# Altium PCB main.PcbDoc (part 3 of 3)
Units mm, origin at the board's own origin, x right, y up, seen from the top; angles counter-clockwise.
Board outline 100 x 62 mm, 6 copper layers (Layer 1 SIG, Layer 2 GND, Layer 3 SIG, Layer 4 GND, Layer 5 GND, Layer 6 PWR), stack 1.548 mm thick; 223 components, 150 nets, 791 pads, 621 vias.
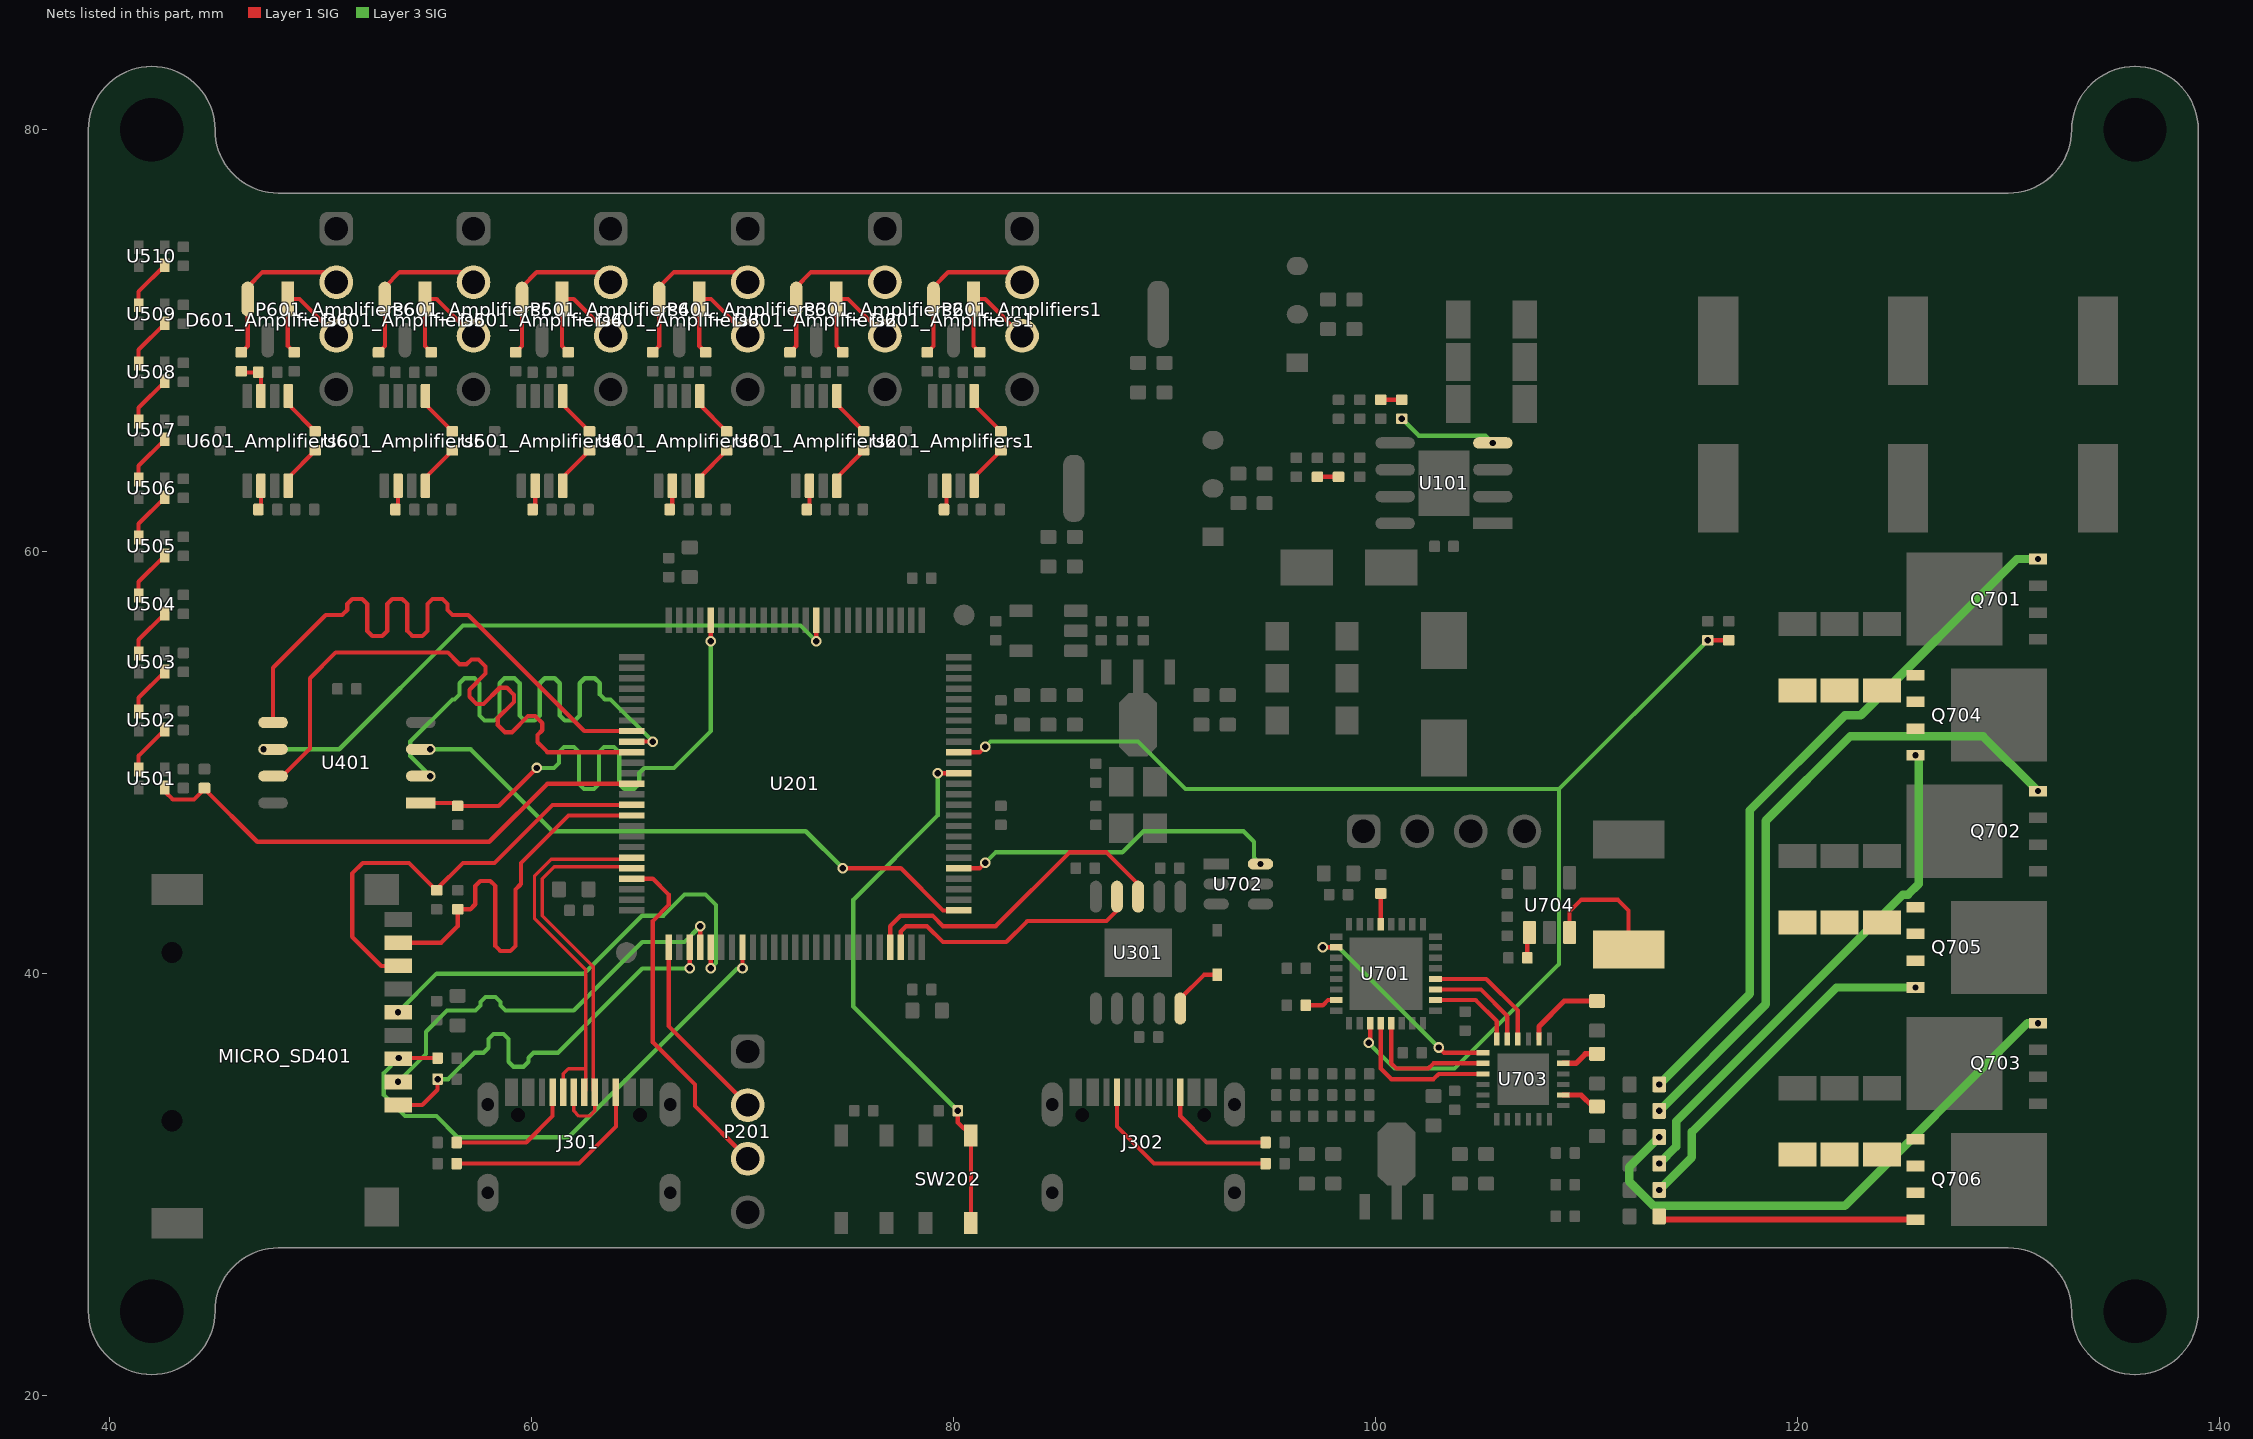
[diagram p7: the nets of this part, all layers, seen from the top]

## Via types
v1: diameter 0.5, hole 0.3, Layer 1 SIG to Layer 6 PWR, tented both sides, 388 vias
v2: diameter 0.8, hole 0.5, Layer 1 SIG to Layer 6 PWR, tented both sides, 233 vias

## Nets (pads, with @x,y where several pads share a name; then routed paths per layer and width w, separated by ;. In a path a pad name is that pad's centre, name@x,y a point inside that pad or via, vN(x,y) a via of type N, cw(c..) or ccw(c..) an arc to the next point about the centre after c; other vN are vias at no path point) (continued)
NetC602_Amplifiers6_2: C602_Amplifiers6.2 R604_Amplifiers6.2 U601_Amplifiers6.3 | length 2
  Layer 1 SIG w0.2: R604_Amplifiers6.2@46.25,68.55 46.3,68.5 C602_Amplifiers6.2@47.05,68.5 47.175,68.375 U601_Amplifiers6.3@47.175,67.375
NetC720_1: C720.1 U703.20 | length 3.8
  Layer 1 SIG w0.25: U703.20@107.75,36.9 107.75,37.5 108.95,38.7 C720.1@110.5,38.7
NetC722_1: C722.1 U703.17 | length 1.8
  Layer 1 SIG w0.25: U703.17@108.9,35.75 109.5,35.75 109.95,36.2 C722.1@110.5,36.2
NetC723_1: C723.1 U703.14 | length 1.8
  Layer 1 SIG w0.25: U703.14@108.9,34.25 109.75,34.25 110.3,33.7 C723.1@110.5,33.7
NetD301_2: D301.2 U301.5 | length 2.7
  Layer 1 SIG w0.2: U301.5@90.75,38.35 90.75,38.828 91.867,39.945 D301.2@92.5,39.945
NetJ301_A5: J301.A5 R302.1 | length 6.2
  Layer 1 SIG w0.2: R302.1@56.45,32 59.75,32 61,33.25 J301.A5@61,34.379
NetJ301_B5: J301.B5 R301.1 | length 9.9
  Layer 1 SIG w0.2: R301.1@56.45,31 62.25,31 64,32.75 J301.B5@64,34.379
NetJ302_A5: J302.A5 R304.1 | length 9.4
  Layer 1 SIG w0.2: J302.A5@87.75,34.379 87.75,32.75 89.5,31 R304.1@94.8,31
NetJ302_B5: J302.B5 R303.1 | length 5.7
  Layer 1 SIG w0.2: J302.B5@90.75,34.379 90.75,33.25 92,32 R303.1@94.8,32
NetQ701_4: Q701.4 R714.2 | length 33.4
  Layer 3 SIG w0.4: v1(113.45,34.75) 117.75,39.05 117.75,47.75 122.25,52.25 123,52.25 130.405,59.655 v1(131.4,59.655)
NetQ702_4: Q702.4 R715.2 | length 31.5
  Layer 3 SIG w0.4: v1(113.45,33.5) 118.5,38.55 118.5,47.25 122.5,51.25 128.805,51.25 v1(131.4,48.655)
NetQ703_4: Q703.4 R716.2 | length 26.1
  Layer 3 SIG w0.4: v1(113.45,32.25) 112.032,30.832 112.032,30.156 113.188,29 122.25,29 130.905,37.655 v1(131.4,37.655)
NetQ704_4: Q704.4 R717.2 | length 24.6
  Layer 3 SIG w0.4: v1(113.45,31) 114.25,31.8 114.25,33 125,43.75 125.25,43.75 125.75,44.25 125.75,50.195 v1(125.6,50.345)
NetQ705_4: Q705.4 R718.2 | length 16.8
  Layer 3 SIG w0.4: v1(113.45,29.75) 115,31.3 115,32.5 121.845,39.345 v1(125.6,39.345)
NetQ706_4: Q706.4 R719.2 | length 12.2
  Layer 1 SIG w0.3: R719.2@113.45,28.5 113.605,28.345 Q706.4@125.6,28.345
NetR102_2: R102.2 R105.1 | length 1
  Layer 1 SIG w0.2: R105.1@97.25,63.55 R102.2@98.25,63.55
NetR103_1: R103.1 R106.2 | length 1
  Layer 1 SIG w0.2: R106.2@100.25,67.2 R103.1@101.25,67.2
NetR103_2: R103.2 U101.4 | length 4.8
  Layer 3 SIG w0.2: v1(101.25,66.3) 102.05,65.5 105.221,65.5 v1(105.566,65.155)
NetR601_Amplifiers1_1: R601_Amplifiers1.1 U601_Amplifiers1.8 | length 2.2
  Layer 1 SIG w0.2: U601_Amplifiers1.8@80.975,63.125 80.975,63.525 R601_Amplifiers1.1@82.25,64.8
NetR601_Amplifiers1_2: R601_Amplifiers1.2 U601_Amplifiers1.1 | length 2.2
  Layer 1 SIG w0.2: U601_Amplifiers1.1@80.975,67.375 80.975,66.975 R601_Amplifiers1.2@82.25,65.7
NetR601_Amplifiers2_1: R601_Amplifiers2.1 U601_Amplifiers2.8 | length 2.2
  Layer 1 SIG w0.2: U601_Amplifiers2.8@74.475,63.125 74.475,63.525 R601_Amplifiers2.1@75.75,64.8
NetR601_Amplifiers2_2: R601_Amplifiers2.2 U601_Amplifiers2.1 | length 2.2
  Layer 1 SIG w0.2: U601_Amplifiers2.1@74.475,67.375 74.475,66.975 R601_Amplifiers2.2@75.75,65.7
NetR601_Amplifiers3_1: R601_Amplifiers3.1 U601_Amplifiers3.8 | length 2.2
  Layer 1 SIG w0.2: U601_Amplifiers3.8@67.975,63.125 67.975,63.525 R601_Amplifiers3.1@69.25,64.8
NetR601_Amplifiers3_2: R601_Amplifiers3.2 U601_Amplifiers3.1 | length 2.2
  Layer 1 SIG w0.2: U601_Amplifiers3.1@67.975,67.375 67.975,66.975 R601_Amplifiers3.2@69.25,65.7
NetR601_Amplifiers4_1: R601_Amplifiers4.1 U601_Amplifiers4.8 | length 2.2
  Layer 1 SIG w0.2: U601_Amplifiers4.8@61.475,63.125 61.475,63.525 R601_Amplifiers4.1@62.75,64.8
NetR601_Amplifiers4_2: R601_Amplifiers4.2 U601_Amplifiers4.1 | length 2.2
  Layer 1 SIG w0.2: U601_Amplifiers4.1@61.475,67.375 61.475,66.975 R601_Amplifiers4.2@62.75,65.7
NetR601_Amplifiers5_1: R601_Amplifiers5.1 U601_Amplifiers5.8 | length 2.2
  Layer 1 SIG w0.2: U601_Amplifiers5.8@54.975,63.125 54.975,63.525 R601_Amplifiers5.1@56.25,64.8
NetR601_Amplifiers5_2: R601_Amplifiers5.2 U601_Amplifiers5.1 | length 2.2
  Layer 1 SIG w0.2: U601_Amplifiers5.1@54.975,67.375 54.975,66.975 R601_Amplifiers5.2@56.25,65.7
NetR601_Amplifiers6_1: R601_Amplifiers6.1 U601_Amplifiers6.8 | length 2.2
  Layer 1 SIG w0.2: U601_Amplifiers6.8@48.475,63.125 48.475,63.525 R601_Amplifiers6.1@49.75,64.8
NetR601_Amplifiers6_2: R601_Amplifiers6.2 U601_Amplifiers6.1 | length 2.2
  Layer 1 SIG w0.2: U601_Amplifiers6.1@48.475,67.375 48.475,66.975 R601_Amplifiers6.2@49.75,65.7
NetR603_Amplifiers1_1: R603_Amplifiers1.1 U601_Amplifiers1.6 | length 1.2
  Layer 1 SIG w0.2: R603_Amplifiers1.1@79.55,62 79.675,62.125 U601_Amplifiers1.6@79.675,63.125
NetR603_Amplifiers2_1: R603_Amplifiers2.1 U601_Amplifiers2.6 | length 1.2
  Layer 1 SIG w0.2: R603_Amplifiers2.1@73.05,62 73.175,62.125 U601_Amplifiers2.6@73.175,63.125
NetR603_Amplifiers3_1: R603_Amplifiers3.1 U601_Amplifiers3.6 | length 1.2
  Layer 1 SIG w0.2: R603_Amplifiers3.1@66.55,62 66.675,62.125 U601_Amplifiers3.6@66.675,63.125
NetR603_Amplifiers4_1: R603_Amplifiers4.1 U601_Amplifiers4.6 | length 1.2
  Layer 1 SIG w0.2: R603_Amplifiers4.1@60.05,62 60.175,62.125 U601_Amplifiers4.6@60.175,63.125
NetR603_Amplifiers5_1: R603_Amplifiers5.1 U601_Amplifiers5.6 | length 1.2
  Layer 1 SIG w0.2: R603_Amplifiers5.1@53.55,62 53.675,62.125 U601_Amplifiers5.6@53.675,63.125
NetR603_Amplifiers6_1: R603_Amplifiers6.1 U601_Amplifiers6.6 | length 1.2
  Layer 1 SIG w0.2: R603_Amplifiers6.1@47.05,62 47.175,62.125 U601_Amplifiers6.6@47.175,63.125
NetR701_1: R701.1 U701.29 | length 1.5
  Layer 1 SIG w0.2: U701.29@100.25,42.35 R701.1@100.25,43.8
NetR702_2: R702.2 U701.7 | length 1.6
  Layer 1 SIG w0.2: R702.2@96.7,38.5 97.5,38.5 97.75,38.75 U701.7@98.15,38.75
NetR723_1: R723.1 U704.1 | length 1.2
  Layer 1 SIG w0.2: R723.1@107.2,40.75 107.2,41.85 U704.1@107.3,41.95
NetU501_1: U501.1 U502.4 | length 2.4
  Layer 1 SIG w0.2: U501.1@41.375,49.675 41.375,50.325 U502.4@42.625,51.575
NetU502_1: U502.1 U503.4 | length 2.4
  Layer 1 SIG w0.2: U502.1@41.375,52.425 41.375,53.075 U503.4@42.625,54.325
NetU503_1: U503.1 U504.4 | length 2.4
  Layer 1 SIG w0.2: U503.1@41.375,55.175 41.375,55.825 U504.4@42.625,57.075
NetU504_1: U504.1 U505.4 | length 2.4
  Layer 1 SIG w0.2: U504.1@41.375,57.925 41.375,58.575 U505.4@42.625,59.825
NetU505_1: U505.1 U506.4 | length 2.4
  Layer 1 SIG w0.2: U505.1@41.375,60.675 41.375,61.325 U506.4@42.625,62.575
NetU506_1: U506.1 U507.4 | length 2.4
  Layer 1 SIG w0.2: U506.1@41.375,63.425 41.375,64.075 U507.4@42.625,65.325
NetU507_1: U507.1 U508.4 | length 2.4
  Layer 1 SIG w0.2: U507.1@41.375,66.175 41.375,66.825 U508.4@42.625,68.075
NetU508_1: U508.1 U509.4 | length 2.4
  Layer 1 SIG w0.2: U508.1@41.375,68.925 41.375,69.575 U509.4@42.625,70.825
NetU509_1: U509.1 U510.4 | length 2.4
  Layer 1 SIG w0.2: U509.1@41.375,71.675 41.375,72.325 U510.4@42.625,73.575
NRST: C213.1 SW202.1 SW202.2 U201.14 | length 26.3
  Layer 1 SIG w0.2: v1(79.25,49.5) U201.14@80.25,49.5 ; v1(80.2,33.5) 80.2,32.95 SW202.1@80.825,32.325 SW202.2@80.825,28.175
  Layer 3 SIG w0.2: v1(79.25,49.5) 79.25,47.5 75.25,43.5 75.25,38.45 v1(80.2,33.5)
PWM_H_A: U701.20 U703.22 | length 5.9
  Layer 1 SIG w0.2: U701.20@102.85,39.75 105.25,39.75 106.75,38.25 U703.22@106.75,36.9
PWM_H_B: U701.19 U703.23 | length 5
  Layer 1 SIG w0.2: U701.19@102.85,39.25 105,39.25 106.25,38 U703.23@106.25,36.9
PWM_H_C: U701.18 U703.24 | length 4.2
  Layer 1 SIG w0.2: U701.18@102.85,38.75 104.75,38.75 105.75,37.75 U703.24@105.75,36.9
PWM_L_A: U701.2 U703.1 | length 10.3
  Layer 1 SIG w0.2: v1(97.5,41.25) U701.2@98.15,41.25 ; v1(103,36.5) 103.25,36.25 U703.1@105.1,36.25
  Layer 3 SIG w0.2: v1(97.5,41.25) 98.25,41.25 v1(103,36.5)
PWM_L_B: U701.13 U703.2 | length 6.5
  Layer 1 SIG w0.2: U701.13@100.75,37.65 100.75,35.75 101,35.5 102.5,35.5 102.75,35.75 U703.2@105.1,35.75
PWM_L_C: U701.12 U703.3 | length 7.3
  Layer 1 SIG w0.2: U701.12@100.25,37.65 100.25,35.5 100.75,35 102.75,35 103,35.25 U703.3@105.1,35.25
QSPI_CLK: U201.36 U401.6 | length 29.9
  Layer 1 SIG w0.2: v1(73.5,55.75) U201.36@73.5,56.75
  Layer 3 SIG w0.2: v1(47.3,50.635) 50.885,50.635 56.75,56.5 72.75,56.5 v1(73.5,55.75)
QSPI_IO0: U201.58 U401.5 | length 29.8
  Layer 1 SIG w0.2: U401.5@47.75,51.905 47.75,54.5 50.25,57 50.926,57 51.026,57 51.264,57.238 51.264,57.516 51.501,57.754 51.976,57.754 52.214,57.516 52.214,56.238 52.451,56 52.926,56 53.164,56.238 53.164,57.516 53.401,57.754 53.876,57.754 54.114,57.516 54.114,56.238 54.351,56 54.826,56 55.064,56.238 55.064,57.516 55.301,57.754 55.776,57.754 56.014,57.516 56.014,57.238 56.251,57 56.55,57 57,57 62.5,51.5 U201.58@64.75,51.5
QSPI_IO1: U201.59 U401.2 | length 28
  Layer 1 SIG w0.2: U201.59@64.75,51 v1(65.75,51)
  Layer 3 SIG w0.2: v1(55.2,49.365) 54.25,50.315 54.25,51 56.25,53 56.35,53 56.588,53.238 56.588,53.763 56.825,54 57.3,54 57.538,53.763 57.538,52.238 57.775,52 58.25,52 58.488,52.238 58.488,53.763 58.725,54 59.2,54 59.438,53.763 59.438,52.238 59.675,52 60.15,52 60.388,52.238 60.388,53.763 60.625,54 61.1,54 61.338,53.763 61.338,52.238 61.575,52 62.05,52 62.288,52.238 62.288,53.763 62.525,54 63,54 63.238,53.763 63.238,53.238 63.475,53 63.75,53 v1(65.75,51)
QSPI_IO2: U201.1 U401.3 | length 28.2
  Layer 1 SIG w0.2: v1(74.75,45) 77.5,45 79.5,43 U201.1@80.25,43
  Layer 3 SIG w0.2: v1(55.2,50.635) 57.115,50.635 61,46.75 73,46.75 v1(74.75,45)
QSPI_IO3: U201.60 U401.7 | length 30
  Layer 1 SIG w0.2: U401.7@47.3,49.365 U401.7@47.85,49.365 ; U401.7@47.75,49.365 48.193,49.365 49.5,50.672 49.5,54 50.717,55.217 56.033,55.217 56.514,54.736 56.585,54.665 56.92,54.665 57.151,54.896 57.487,54.896 57.822,54.56 57.822,54.224 57.058,53.459 57.058,53.123 57.394,52.787 57.729,52.787 58.494,53.552 58.83,53.552 59.166,53.216 59.166,52.88 58.401,52.116 58.401,51.78 58.737,51.444 59.073,51.444 59.838,52.209 60.174,52.209 60.509,51.873 60.509,51.537 60.279,51.307 60.279,50.971 60.302,50.948 60.373,50.877 60.75,50.5 U201.60@64.75,50.5
QSPI_NCS: R401.2 U201.46 U401.1 | length 27.1
  Layer 1 SIG w0.2: U401.1@54.75,48.095 56.355,48.095 R401.2@56.5,47.95 58.45,47.95 v1(60.25,49.75) ; v1(68.5,55.75) U201.46@68.5,56.75
  Layer 3 SIG w0.2: v1(60.25,49.75) 60.966,49.75 61.066,49.75 61.304,49.988 61.304,50.513 61.541,50.75 62.016,50.75 62.254,50.513 62.254,48.988 62.491,48.75 62.966,48.75 63.204,48.988 63.204,50.513 63.441,50.75 63.916,50.75 64.154,50.513 64.154,48.988 64.391,48.75 64.866,48.75 65.104,48.988 65.104,49.513 65.341,49.75 65.816,49.75 66.75,49.75 68.5,51.5 v1(68.5,55.75)
RGB_DAT: R501.2 U201.63 U501.4 | length 24.9
  Layer 1 SIG w0.2: U501.4@42.625,48.825 42.625,48.625 43,48.25 44,48.25 R501.2@44.5,48.75 ; R501.2@44.5,48.8 R501.2@44.5,48.75 ; U201.63@64.75,49 60.75,49 58,46.25 47,46.25 R501.2@44.5,48.75
SD_CLK: MICRO_SD401.5 U201.80 | length 21.7
  Layer 1 SIG w0.2: v1(68.5,40.25) U201.80@68.5,41.25
  Layer 3 SIG w0.2: v1(53.674,38.17) 55.504,40 62.5,40 65.25,42.75 66.25,42.75 67.25,43.75 68.25,43.75 68.75,43.25 68.75,40.5 v1(68.5,40.25)
SD_CMD: MICRO_SD401.3 R402.2 U201.83 | length 26.1
  Layer 1 SIG w0.2: MICRO_SD401.3@53.674,35.97 v1(53.704,36) R402.2@55.55,36 ; v1(70,40.25) U201.83@70,41.25
  Layer 3 SIG w0.2: v1(53.704,36) 53,35.296 53,34.25 54,33.25 55.5,33.25 56.5,32.25 61.75,32.25 69.75,40.25 v1(70,40.25)
SD_DAT0: MICRO_SD401.7 R403.2 U201.65 | length 21.4
  Layer 1 SIG w0.2: MICRO_SD401.7@53.674,40.37 52.88,40.37 51.5,41.75 51.5,44.75 52,45.25 54.2,45.25 R403.2@55.5,43.95 55.5,44 56.75,45.25 58.25,45.25 61,48 U201.65@64.75,48
SD_DAT1: MICRO_SD401.8 R404.2 U201.66 | length 21.1
  Layer 1 SIG w0.2: MICRO_SD401.8@53.674,41.47 55.72,41.47 56.5,42.25 R404.2@56.5,43.05 56.997,43.05 57.097,43.05 57.335,43.288 57.335,44.158 57.572,44.395 58.047,44.395 58.285,44.158 58.285,41.306 58.522,41.068 58.997,41.068 59.235,41.306 59.235,43.985 59.465,44.215 59.5,44.25 59.5,45.25 61.75,47.5 U201.66@64.75,47.5
SD_DAT2: MICRO_SD401.1 R405.2 U201.78 | length 20.1
  Layer 1 SIG w0.2: MICRO_SD401.1@53.674,33.77 54.82,33.77 55.55,34.5 v1(55.55,35) ; v1(67.5,40.25) U201.78@67.5,41.25
  Layer 3 SIG w0.2: v1(55.55,35) 56.05,35 57.3,36.25 57.624,36.25 57.724,36.25 57.962,36.488 57.962,36.909 58.199,37.146 58.674,37.146 58.912,36.909 58.912,35.826 59.149,35.589 59.624,35.589 59.862,35.826 59.862,36.013 60.099,36.25 60.567,36.25 61.25,36.25 65.25,40.25 v1(67.5,40.25)
SD_DAT3: MICRO_SD401.2 U201.79 | length 19.7
  Layer 1 SIG w0.2: U201.79@68,41.25 v1(68,42.25)
  Layer 3 SIG w0.2: v1(53.674,34.87) 55,36.196 55,37.25 56,38.25 57.244,38.25 57.344,38.25 57.581,38.487 57.581,38.653 57.819,38.89 58.294,38.89 58.531,38.653 58.531,38.487 58.769,38.25 58.962,38.25 62,38.25 65.25,41.5 67.25,41.5 v1(68,42.25)
SIG+_Amplifiers1: D601_Amplifiers1.2 P601_Amplifiers1.2 R604_Amplifiers1.1 | length 7.9
  Layer 1 SIG w0.2: R604_Amplifiers1.1@78.75,69.45 79.05,69.75 D601_Amplifiers1.2@79.05,71.975 79.05,72.55 79.75,73.25 82.77,73.25 P601_Amplifiers1.2@83.25,72.77
SIG+_Amplifiers2: D601_Amplifiers2.2 P601_Amplifiers2.2 R604_Amplifiers2.1 | length 7.9
  Layer 1 SIG w0.2: R604_Amplifiers2.1@72.25,69.45 72.55,69.75 D601_Amplifiers2.2@72.55,71.975 72.55,72.55 73.25,73.25 76.27,73.25 P601_Amplifiers2.2@76.75,72.77
SIG+_Amplifiers3: D601_Amplifiers3.2 P601_Amplifiers3.2 R604_Amplifiers3.1 | length 7.9
  Layer 1 SIG w0.2: R604_Amplifiers3.1@65.75,69.45 66.05,69.75 D601_Amplifiers3.2@66.05,71.975 66.05,72.55 66.75,73.25 69.77,73.25 P601_Amplifiers3.2@70.25,72.77
SIG+_Amplifiers4: D601_Amplifiers4.2 P601_Amplifiers4.2 R604_Amplifiers4.1 | length 7.9
  Layer 1 SIG w0.2: R604_Amplifiers4.1@59.25,69.45 59.55,69.75 D601_Amplifiers4.2@59.55,71.975 59.55,72.55 60.25,73.25 63.27,73.25 P601_Amplifiers4.2@63.75,72.77
SIG+_Amplifiers5: D601_Amplifiers5.2 P601_Amplifiers5.2 R604_Amplifiers5.1 | length 7.9
  Layer 1 SIG w0.2: R604_Amplifiers5.1@52.75,69.45 53.05,69.75 D601_Amplifiers5.2@53.05,71.975 53.05,72.55 53.75,73.25 56.77,73.25 P601_Amplifiers5.2@57.25,72.77
SIG+_Amplifiers6: D601_Amplifiers6.2 P601_Amplifiers6.2 R604_Amplifiers6.1 | length 7.9
  Layer 1 SIG w0.2: R604_Amplifiers6.1@46.25,69.45 46.55,69.75 D601_Amplifiers6.2@46.55,71.975 46.55,72.55 47.25,73.25 50.27,73.25 P601_Amplifiers6.2@50.75,72.77
SIG-_Amplifiers1: D601_Amplifiers1.1 P601_Amplifiers1.3 R602_Amplifiers1.1 | length 5.7
  Layer 1 SIG w0.2: R602_Amplifiers1.1@81.25,69.45 80.95,69.75 D601_Amplifiers1.1@80.95,71.975 81.505,71.975 P601_Amplifiers1.3@83.25,70.23
SIG-_Amplifiers2: D601_Amplifiers2.1 P601_Amplifiers2.3 R602_Amplifiers2.1 | length 5.7
  Layer 1 SIG w0.2: R602_Amplifiers2.1@74.75,69.45 74.45,69.75 D601_Amplifiers2.1@74.45,71.975 75.005,71.975 P601_Amplifiers2.3@76.75,70.23
SIG-_Amplifiers3: D601_Amplifiers3.1 P601_Amplifiers3.3 R602_Amplifiers3.1 | length 5.7
  Layer 1 SIG w0.2: R602_Amplifiers3.1@68.25,69.45 67.95,69.75 D601_Amplifiers3.1@67.95,71.975 68.505,71.975 P601_Amplifiers3.3@70.25,70.23
SIG-_Amplifiers4: D601_Amplifiers4.1 P601_Amplifiers4.3 R602_Amplifiers4.1 | length 5.7
  Layer 1 SIG w0.2: R602_Amplifiers4.1@61.75,69.45 61.45,69.75 D601_Amplifiers4.1@61.45,71.975 62.005,71.975 P601_Amplifiers4.3@63.75,70.23
SIG-_Amplifiers5: D601_Amplifiers5.1 P601_Amplifiers5.3 R602_Amplifiers5.1 | length 5.7
  Layer 1 SIG w0.2: R602_Amplifiers5.1@55.25,69.45 54.95,69.75 D601_Amplifiers5.1@54.95,71.975 55.505,71.975 P601_Amplifiers5.3@57.25,70.23
SIG-_Amplifiers6: D601_Amplifiers6.1 P601_Amplifiers6.3 R602_Amplifiers6.1 | length 5.7
  Layer 1 SIG w0.2: R602_Amplifiers6.1@48.75,69.45 48.45,69.75 D601_Amplifiers6.1@48.45,71.975 49.005,71.975 P601_Amplifiers6.3@50.75,70.23
SIG_SEL: U201.5 U702.6 | length 16.1
  Layer 1 SIG w0.2: U201.5@80.25,45 81.25,45 v1(81.5,45.25)
  Layer 3 SIG w0.2: v1(81.5,45.25) 82,45.75 88,45.75 89,46.75 93.75,46.75 94.25,46.25 94.25,45.5 v1(94.55,45.2)
SWCLK: P201.2 U201.76 | length 9
  Layer 1 SIG w0.2: U201.76@66.5,41.25 66.5,37.52 P201.2@70.25,33.77
SWDIO: P201.3 U201.72 | length 16.8
  Layer 1 SIG w0.2: U201.72@64.75,44.5 65.75,44.5 66.5,43.75 66.5,43.25 65.75,42.5 65.75,36.75 67.75,34.75 67.75,33.73 P201.3@70.25,31.23
UART_RXD: U201.98 U301.9 | length 12.7
  Layer 1 SIG w0.2: U201.98@77.5,41.25 77.5,42 77.75,42.25 78.75,42.25 79.5,41.5 82.5,41.5 83.5,42.5 87.25,42.5 87.75,43 U301.9@87.75,43.65
UART_TXD: U201.97 U301.8 | length 15.8
  Layer 1 SIG w0.2: U201.97@77,41.25 77,42.25 77.5,42.75 79,42.75 79.5,42.25 82,42.25 85.5,45.75 87.25,45.75 88.75,44.25 U301.8@88.75,43.65
USB_D_N: J301.A7 J301.B7 U201.70 | length 18.3
  Layer 1 SIG w0.158: J301.B7@61.5,34.379 61.5,35.25 61.75,35.5 62.571,35.5 ; J301.A7@62.5,34.379 62.571,34.45 62.571,35.5 ; U201.70@64.75,45.5 64.679,45.429 60.929,45.429 60.145,44.645 60.145,42.605 62.571,40.179 62.571,35.5
USB_D_P: J301.A6 J301.B6 U201.71 | length 18.6
  Layer 1 SIG w0.158: J301.A6@62,34.379 62,33.5 62.25,33.25 62.75,33.25 63,33.5 J301.B6@63,34.379 62.929,34.45 62.929,40.327 60.503,42.753 60.503,44.497 61.077,45.071 64.679,45.071 U201.71@64.75,45
V_SENSE: R707.1 R710.1 U201.16 U701.11 | length 61.4
  Layer 1 SIG w0.2: U201.16@80.25,50.5 81.25,50.5 v1(81.5,50.75) ; v1(99.676,36.725) 99.75,36.799 U701.11@99.75,37.65 ; v1(115.75,55.8) R707.1@116.75,55.8
  Layer 3 SIG w0.2: v1(81.5,50.75) 81.75,51 88.75,51 91,48.75 108.7,48.75 ; v1(99.676,36.725) 100.901,35.5 103.75,35.5 108.7,40.45 108.7,48.75 ; v1(115.75,55.8) 108.7,48.75
VGND: C706.1 C707.1 C708.1 C709.1 C710.1 C711.1 C712.1 C713.1 C714.1 Q704.1 Q704.2 Q704.3 Q705.1 Q705.2 Q705.3 Q706.1 Q706.2 Q706.3 R724.1 U704.3 | length 6.1
  Layer 1 SIG w0.2: U704.3@109.2,41.95 109.2,42.95 109.75,43.5 111.5,43.5 112,43 R724.1@112,41.15
pads on no net: J301.6 J301.7 J301.A4B9 J301.A8 J301.B4A9 J301.B8 J302.6 J302.7 J302.A8 J302.B8 MICRO_SD401. MICRO_SD401.CD1 U101.3 U201.2 U201.3 U201.7 U201.8 U201.9 U201.17 U201.18 U201.22 U201.23 U201.24 U201.25 U201.34 U201.35 U201.37 U201.38 U201.39 U201.40 U201.41 U201.42 U201.43 U201.44 U201.45 U201.47 U201.51 U201.52 U201.53 U201.54 U201.55 U201.56 U201.57 U201.61 U201.62 U201.64 U201.67 U201.68 U201.69 U201.77 U201.81 U201.82 U201.84 U201.85 U201.86 U201.87 U201.88 U201.89 U201.90 U201.91 U201.92 U201.93 U201.96 U510.1 U701.21 U701.22 U701.25 U701.26 U701.27 U701.28 U701.30 U701.31 U703.5 U703.7 U703.8 U703.21

## Polygon pours and split planes (outlines as drawn)
no net on Top Overlay "NONET_L01_P-001" (solid): 60.75,47 62.75,49 62.75,50.5 59.25,47
no net on Top Overlay "NONET_L01_P-001" (solid): 57.75,47 62.75,52 62.75,53.5 57.75,48.5
no net on Top Overlay "NONET_L01_P-001" (solid): 57.75,50 62.75,55 62.75,56.5 57.75,51.5
no net on Top Overlay "NONET_L01_P-001" (solid): 62.75,59.5 57.75,54.5 57.75,53 62.75,58
no net on Top Overlay "NONET_L01_P-001" (solid): 60.5,60.25 55.5,55.25 57,55.25 62,60.25
no net on Top Overlay "NONET_L01_P-001" (solid): 57.5,60.25 52.5,55.25 54,55.25 59,60.25
no net on Top Overlay "NONET_L01_P-001" (solid): 54.5,60.25 49.5,55.25 51,55.25 56,60.25
no net on Top Overlay "NONET_L01_P-001" (solid): 51.5,60.25 46.5,55.25 48,55.25 53,60.25
no net on Top Overlay "NONET_L01_P-001" (solid): 48.5,60.25 46.5,58.25 46.5,56.75 50,60.25
MOT_A on Layer 1 SIG "NONET_L01_P-001" (solid, pour order 23): 127.275,50.045 127.32,50 137.25,50 139,51.75 139,58.25 138.25,59 131.34,59 130.975,58.635 130.975,55.595 129.835,54.455 127.275,54.455
MOT_C on Layer 1 SIG "NONET_L01_P-001" (solid, pour order 21): 127.275,28.045 127.32,28 137.25,28 139,29.75 139,36.25 138.25,37 131.34,37 130.975,36.635 130.975,33.595 129.835,32.455 127.275,32.455
GND on Layer 1 SIG "NONET_L01_P-001" (solid, pour order 38): 94.8,51.325 95.9,51.325 97,52.425 97,57.4 98,58.4 98,60.1 98.024,60.1 99.924,62 101.944,62 102.05,61.894 102.05,61.7 104.45,61.7 104.45,66.05 104.5,66.1 104.5,71.9 103.35,71.9 102.05,70.6 102.05,63.336 101.714,63 98.4,63 94.8,59.4 94.8,56.675
"+3.3 A" on Layer 1 SIG "NONET_L01_P-001" (solid, pour order 60): 87.5,54.9 87.5,53.7 86.67,52.87 84.5,52.87 84.5,53.53 85.87,54.9 87,54.9
"+9 BUCK" on Layer 1 SIG "NONET_L01_P-001" (solid, pour order 44): 93.282,63.37 91.671,64.982 91.671,65.598 91.822,65.75 93.362,65.75 95.13,63.982 95.13,63.7 94.8,63.37
GND on Layer 1 SIG "NONET_L01_P-001" (solid, pour order 48): 91.543,60.274 91.543,61.146 93.027,62.63 94.8,62.63 95.13,62.3 95.13,62.018 93.386,60.274 92.547,60.274
"+3.3 D" on Layer 1 SIG "NONET_L01_P-001" (solid, pour order 54): 92.111,63.436 86.856,63.436 85.829,64.463 84.12,62.754 84.12,60.7 84.45,60.37 90.098,60.37 92.419,62.692 92.419,63.128
+5 on Layer 1 SIG "NONET_L01_P-001" (solid, pour order 55): 96.361,71.686 91.106,71.686 90.079,72.713 88.37,71.004 88.37,68.95 88.7,68.62 94.348,68.62 96.669,70.942 96.669,71.378
GND on Layer 1 SIG "NONET_L01_P-001" (solid, pour order 50): 90.83,52.87 90,53.7 90,54.9 91.962,54.9 93.38,53.482 93.38,53.2 93.05,52.87 91.411,52.87
GND on Layer 1 SIG "NONET_L01_P-001" (solid, pour order 49): 95.793,68.524 95.793,69.396 97.277,70.88 99.05,70.88 99.38,70.55 99.38,70.268 97.636,68.524 96.797,68.524
"+9 BUCK" on Layer 1 SIG "NONET_L01_P-001" (solid, pour order 45): 97.532,71.62 95.921,73.232 95.921,73.848 96.072,74 97.612,74 99.38,72.232 99.38,71.95 99.05,71.62
"+9 BUCK" on Layer 1 SIG "NONET_L01_P-001" (solid, pour order 43): 89.2,53.3 90.37,52.13 93,52.13 93,51.47 91.83,50.3 89.2,50.3
BUCK_PH on Layer 1 SIG "NONET_L01_P-001" (solid, pour order 40): 99.997,61.345 99.997,60.597 99.5,60.1 99.5,57.1 102.15,54.45 104.35,54.45 104.35,57.15 103.05,58.45 103.05,60.275 102.8,60.525 102.691,60.525 101.871,61.345
"+9 BUCK" on Layer 1 SIG "NONET_L01_P-001" (solid, pour order 39): 98.1,56.675 99.2,56.675 103.825,52.05 104.35,52.05 104.35,49.35 100.075,49.35 98.1,51.325
+BATT on Layer 1 SIG "NONET_L01_P-001" (solid, pour order 37): 105.566,62.344 107.344,62.344 108.25,63.25 108.25,71.3 107.65,71.9 106.5,71.9 106.5,66.1 106.75,65.85 106.75,63.404 106.232,62.886 105.566,62.886
GND on Layer 1 SIG "NONET_L01_P-001" (solid, pour order 31): 99.75,28.35 99.75,29.55 98.92,30.38 96.75,30.38 96.75,29.75 98.15,28.35 99.25,28.35
"+3.3 ESC" on Layer 1 SIG "NONET_L01_P-001" (solid, pour order 32): 102.25,28.35 102.25,29.55 103.08,30.38 105.25,30.38 105.606,30.024 105.606,29.106 104.85,28.35
"+9 BUCK" on Layer 1 SIG "NONET_L01_P-001" (solid, pour order 33): 100.55,29.95 99.38,31.12 96.75,31.12 96.75,31.78 97.47,32.5 100.55,32.5
+BATT on Layer 1 SIG "Layer 1 SIG-+BATT" (solid, pour order 30): 129.725,59.725 130.9,60.9 135.2,60.9 135.2,65.1 115.3,65.1 115.3,58.95 119,55.25 129.43,55.25 129.725,55.545
GND on Layer 1 SIG "NONET_L01_P-001" (solid, pour order 27): 113.7,45.45 113.7,49.45 114.75,50.5 114.75,65.45 115.3,66 133.3,66 135.2,67.9 135.2,72.1 113.1,72.1 109,68 109,46.75 110.3,45.45
VGND on Layer 1 SIG "Top Layer-VGND" (solid, pour order 19): 126.025,29.365 126.025,32.405 125.93,32.5 120,32.5 118.75,33.75 118.75,36.32 122.43,40 125.66,40 126.025,40.365 126.025,43.405 125.93,43.5 120,43.5 118.75,44.75 118.75,47.32 122.43,51 125.66,51 126.025,51.365 126.025,54.405 125.93,54.5 119.5,54.5 114.25,49.25 114.25,43 113.3,42.05 110.3,42.05 110.3,40.2 114.25,36.25 114.25,32.75 118,29 125.66,29
+BATT on Layer 1 SIG "NONET_L01_P-001" (solid, pour order 25): 119.1,45 119.85,44.25 129.43,44.25 129.725,44.545 129.725,48.955 129.43,49.25 121.25,49.25 119.1,47.1
+BATT on Layer 1 SIG "NONET_L01_P-001" (solid, pour order 24): 119.1,34 119.85,33.25 129.43,33.25 129.725,33.545 129.725,37.955 129.43,38.25 121.25,38.25 119.1,36.1
MOT_B on Layer 1 SIG "NONET_L01_P-001" (solid, pour order 22): 127.275,39.045 127.32,39 137.25,39 139,40.75 139,47.25 138.25,48 131.34,48 130.975,47.635 130.975,44.595 129.835,43.455 127.275,43.455
no net on Top Solder "NONET_L01_P-001" (solid): 120.5,73.5 120.5,77 139,77 139,73.5
no net on Top Solder "NONET_L01_P-001" (solid): 139,27 139,21 130,21 130,27
no net on Top Solder "NONET_L01_P-001" (solid): 139,83 139,77 130,77 130,83
no net on Top Solder "NONET_L01_P-001" (solid): 39,83 39,77 48,77 48,83
no net on Top Solder "NONET_L01_P-001" (solid): 39,27 39,21 48,21 48,27
GND on Top Solder "NONET_L01_P-001" (solid): 113.25,47.75 113.25,49.75 114.25,50.75 114.25,60.75 111.5,63.5 109.5,63.5 109.5,47.75
VGND on Top Solder "Top Layer-VGND" (solid): 118.25,30.75 118.25,33.5 118.25,36.5 119.75,38 119.75,40.25 118.25,41.75 118.25,47.5 120.75,50 120.75,52 117.75,52 114.75,49 114.75,42.75 114.25,42.25 114.25,37 114.75,36.5 114.75,33 117,30.75
no net on Top Solder "NONET_L01_P-001" (solid): 139,51.75 139,58.25 132.5,58.25 132.5,51.75
no net on Top Solder "NONET_L01_P-001" (solid): 139,40.75 139,47.25 132.5,47.25 132.5,40.75
no net on Top Solder "NONET_L01_P-001" (solid): 139,29.75 139,36.25 132.5,36.25 132.5,29.75
GND on Layer 5 GND "NONET_L01_P-001" (solid, remove dead copper, pour order 53): 38,27.25 38,76.75 140,76.75 140,27.25
"+3.3 D" on Layer 6 PWR "NONET_L01_P-001" (solid, pour order 57): 90.25,46.5 83.75,53 83.75,58.25 86,60.5 86,62.5 85.75,62.75 59.5,62.75 50.5,53.75 50.5,43 56.5,37 65.25,37 67.75,34.5 67.75,29.25 68.75,28.25 76,28.25 90.25,42.5
"+3.3 A" on Layer 6 PWR "NONET_L01_P-001" (solid, pour order 35): 84.25,53 84.5,52.75 88,52.75 90.25,55 90.25,65 87.25,68 48,68 45,65 45,64.5 45.5,64 85,64 86.25,62.75 86.25,60.25 84.25,58.25
"+9 BUCK" on Layer 6 PWR "Layer 6 PWR-+9 BUCK" (solid, pour order 61): 90.5,36 96.5,30 101,30 101.25,30.25 101.25,31 101.25,35.5 96.25,40.5 96.25,45.75 99,48.5 99,57 97,59 97,67 99.5,69.5 99.5,73 98.25,74.25 96,74.25 90.5,68.75
+5 on Layer 6 PWR "NONET_L01_P-001" (solid, pour order 59): 90.25,68.75 90,68.5 47.75,68.5 45,65.75 45,50.25 44.25,49.5 42.75,49.5 42,50.25 42,73.25 43.5,74.75 86.25,74.75 90.25,70.75
"+3.3 ESC" on Layer 6 PWR "NONET_L01_P-001" (solid, pour order 56): 108.184,47.316 106.066,47.316 104,45.25 97.5,45.25 97,44.75 97,40.75 101.75,36 101.75,29.25 102.5,28.5 105,28.5 109.25,32.75 109.25,46.25
+BATT on Layer 6 PWR "Layer 6 SIG-+BATT" (solid, pour order 46): 125.25,54.5 131,60.25 132,60.25 133.25,61.5 133.25,64.5 132.25,65.5 118.25,65.5 117.25,64.5 111.25,64.5 108.25,67.5 108.25,71 107.5,71.75 106.75,71.75 106.5,71.5 106.5,66.25 110.25,62.5 116.25,62.5 117.25,61.5 117.25,56.5 119.25,54.5 119.25,33.75 119.75,33.25 124.75,33.25 125.25,33.75
GND on Layer 6 PWR "NONET_L01_P-001" (solid, pour order 42): 133.25,67.5 132.25,66.5 118.25,66.5 117.25,67.5 117.25,71.5 118.25,72.5 132.25,72.5 133.25,71.5
no net on Bottom Solder "NONET_L01_P-001" (solid): 120.5,73.5 120.5,77 139,77 139,73.5
no net on Bottom Solder "NONET_L01_P-001" (solid): 139,27 139,21 130,21 130,27
no net on Bottom Solder "NONET_L01_P-001" (solid): 139,83 139,77 130,77 130,83
no net on Bottom Solder "NONET_L01_P-001" (solid): 39,83 39,77 48,77 48,83
no net on Bottom Solder "NONET_L01_P-001" (solid): 39,27 39,21 48,21 48,27
GND on Bottom Solder "NONET_L01_P-001" (solid): 118.5,72 117.75,71.25 117.75,68.75 118.5,68 132,68 132.75,68.75 132.75,71.25 132,72
+BATT on Bottom Solder "NONET_L01_P-001" (solid): 118.5,65 117.75,64.25 117.75,61.75 118.5,61 132,61 132.75,61.75 132.75,64.25 132,65
+BATT on Bottom Solder "NONET_L01_P-001" (solid): 124.75,34.25 124.25,33.75 120.25,33.75 119.75,34.25 119.75,54.75 117.75,56.75 117.75,60.25 128.75,60.25 128.75,58.75 124.75,54.75
no net on Bottom Overlay "NONET_L01_P-001" (solid): 126.5,41 126.5,39 133.5,46 133.5,48
no net on Bottom Overlay "NONET_L01_P-001" (solid): 134.5,37 134.5,35 137.5,38 137.5,40
no net on Bottom Overlay "NONET_L01_P-001" (solid): 130.5,37 130.5,35 137.5,42 137.5,44
no net on Bottom Overlay "NONET_L01_P-001" (solid): 126.5,37 126.5,35 137.5,46 137.5,48
no net on Bottom Overlay "NONET_L01_P-001" (solid): 126.5,45 126.5,43 135.5,52 135.5,54
no net on Bottom Overlay "NONET_L01_P-001" (solid): 126.5,53 126.5,51 137.5,62 137.5,64
no net on Bottom Overlay "NONET_L01_P-001" (solid): 126.5,49 126.5,47 137.5,58 137.5,60
no net on Bottom Overlay "NONET_L01_P-001" (solid): 116.75,70 ccw(c114.75,70) 114.75,72 ccw(c114.75,70) 112.75,70 ccw(c114.75,70) 114.75,68 ccw(c114.75,70)
no net on Bottom Overlay "NONET_L01_P-001" (solid): 116.75,63 ccw(c114.75,63) 114.75,65 ccw(c114.75,63) 112.75,63 ccw(c114.75,63) 114.75,61 ccw(c114.75,63)
GND on Layer 2 GND "NONET_L01_P-001" (solid, remove dead copper, pour order 36): 38,27.25 38,76.75 140,76.75 140,27.25
GND on Layer 4 GND "NONET_L01_P-001" (solid, remove dead copper, pour order 52): 38,27.25 38,76.75 140,76.75 140,27.25

## Other copper
Layer 1 SIG:
  pour cut-out: 120.25,73.25 120.25,77.25 139.25,77.25 139.25,73.25
  text "1" at 120.75,73.75 h3
Layer 2 GND:
  pour cut-out: 120.25,73.25 120.25,77.25 139.25,77.25 139.25,73.25
  text "2" at 123.75,73.75 h3
Layer 3 SIG:
  pour cut-out: 120.25,73.25 120.25,77.25 139.25,77.25 139.25,73.25
  text "3" at 126.75,73.75 h3
Layer 4 GND:
  pour cut-out: 120.25,73.25 120.25,77.25 139.25,77.25 139.25,73.25
  text "4" at 129.75,73.75 h3
Layer 5 GND:
  pour cut-out: 120.25,73.25 120.25,77.25 139.25,77.25 139.25,73.25
  text "5" at 132.75,73.75 h3
Layer 6 PWR:
  pour cut-out: 120.25,73.25 120.25,77.25 139.25,77.25 139.25,73.25
  text "6" at 135.75,73.75 h3

## Silkscreen, mask and mechanical layers (free items; w line width, h text height)
Top Overlay:
  drawing of 2 lines, arcs and shapes, not listed
  text "©2024 Charles Surianto" at 99.21,74.612 h2
  text "6" at 46,73.75 h3
  text "5" at 52.5,73.75 h3
  text "4" at 59,73.75 h3
  text "3" at 65.5,73.75 h3
  text "2" at 72,73.75 h3
  text "1" at 78.5,73.75 h3
  text "E-" at 85.25,73.75 h2
  text "A+" at 85.25,71.75 h2
  text "A-" at 85.25,69.75 h2
  text "E+" at 85.25,67.75 h2
  text "GND" at 92.5,50 h1.5 r270
  text "CLK" at 93.75,50 h1.5 r270
  text "DIO" at 95,50 h1.5 r270
  text "3V3" at 96.25,50 h1.5 r270
  text "SD" at 39.5,46.75 h1.5 r270
  text "GND" at 71.5,37.5 h1.5
  text "CLK" at 71.5,36.25 h1.5
  text "USB" at 63.25,35.5 h1.5
  text "COM" at 84,35.5 h1.5
  text "DIO" at 71.5,35 h1.5
  text "3V3" at 71.5,33.75 h1.5
  text "BOOT" at 72.25,32.75 h1.5 r270
  text "RESET" at 81.75,32.75 h1.5 r270
Bottom Overlay:
  pour cut-out: 115,68.5 115,69.75 115,70.25 115,71.5 114.5,71.5 114.5,70.25 114.5,69.75 114.5,68.5
  pour cut-out: 115,61.5 115,62.75 116.25,62.75 116.25,63.25 115,63.25 115,64.5 114.5,64.5 114.5,63.25 113.25,63.25 113.25,62.75 114.5,62.75 114.5,61.5
  text "12S" at 111.211,68.717 h3 r90
Mechanical 1:
  the board outline again, w0.1

## Text inside footprints (layer, text, board x,y; h text height)
C715: Top Overlay "+" at 135.75,64 h1.22 r270
C716: Top Overlay "+" at 126.75,64 h1.22 r270
C717: Top Overlay "+" at 117.75,64 h1.22 r270